# Altium PCB RFC_MB.PcbDoc (part 33 of 37) (continued)
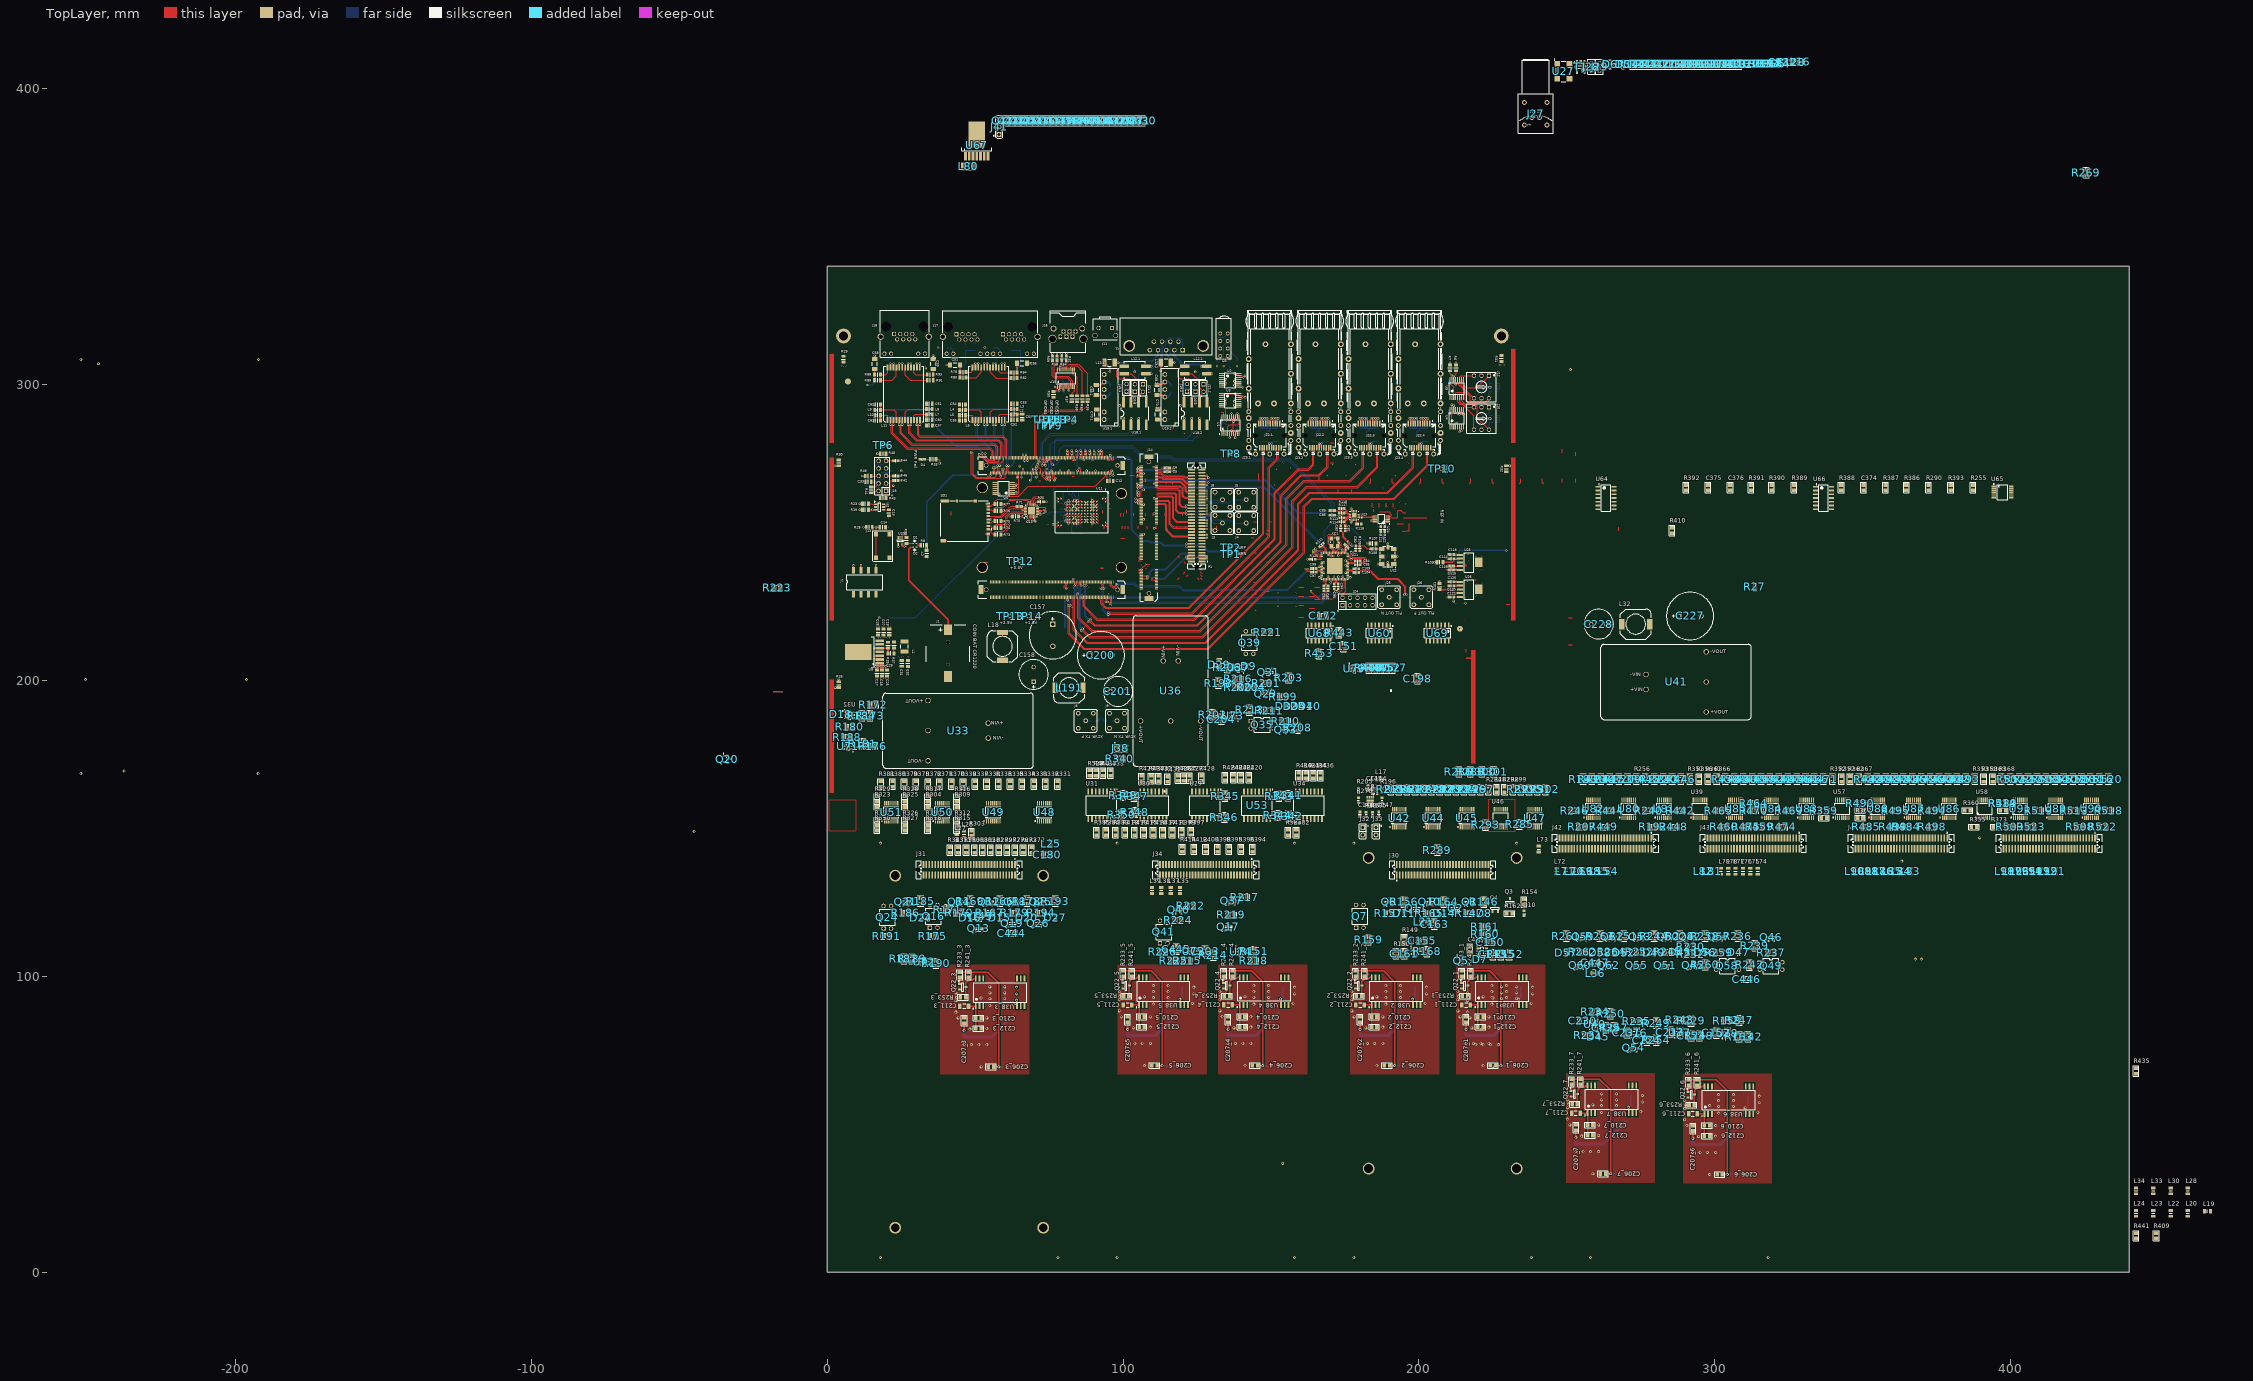
[diagram p0: TopLayer view]
## Part data (continued)
J19.1 J19.2 J20.1 J20.2 J21.1 J21.2 J28 J29: "Connector, 5x2, Male, 2.54mm Pitch, Right Angle", ComponentLink1Description=Datasheet, Last Change Data=02.04.2017, Maintainer="Evgeniy Kotov", PartField=PLS-2, Pkg=PLS-2, Release Date=02.04.2017, SMD Solders=0, THD Solders=2
J22.1 J22.2 J22.3 J22.4: library part MOLEX-74441-0001, "CONN SFP+ RCPT 20POS SLD R/A SMD", Package Quantity=1152, ComponentLink1Description="Manufacturer URL", ComponentLink1URL=http://www.molex.com/, ComponentLink2Description=Datasheet, ComponentLink2URL=http://www.molex.com/webdocs/datasheets/pdf/en-us/0747540101_IO_CONNECTORS.pdf, ComponentLink3Description="Package Specification", ComponentLink3URL=http://www.molex.com/pdm_docs/sd/747540101_sd.pdf, DatasheetVersion="Rev. Jul-15", Height="10.85 mm", Length="15.9 mm", Mounting Technology="Through Hole", PackageDescription="CONN SFP+ RCPT 20POS SLD R/A SMD", PackageVersion="Rev. J, 02/2015", Packaging=Tray, PartField=74441-0001, PartNumber=74441-0001, Pkg="SMD SFP conn", Radiation Hardening=No, RoHSCompliant=True, SMD Solders=20, THD Solders=0, Width="49 mm"
J23.1 J23.2 J23.3 J23.4: library part MOLX-74754-0101, "SFP+ Cage, Single Port, Height 10.85 mm, Tail Height 3.05 mm, -40 to 85 degC, RoHS, Tray", Package Quantity=1152, ComponentLink1Description="Manufacturer URL", ComponentLink1URL=http://www.molex.com/, ComponentLink2Description=Datasheet, ComponentLink2URL=http://www.molex.com/webdocs/datasheets/pdf/en-us/0747540101_IO_CONNECTORS.pdf, ComponentLink3Description="Package Specification", ComponentLink3URL=http://www.molex.com/pdm_docs/sd/747540101_sd.pdf, DatasheetVersion="Rev. Jul-15", Height="10.85 mm", Length="15.9 mm", Mounting Technology="Through Hole", PackageDescription="SFP+ Cage, Single Port, Height 10.85 mm, Tail Height 3.05 mm", PackageVersion="Rev. J, 02/2015", Packaging=Tray, PartField=74754-0101, PartNumber=74754-0101, Pkg="SFP cage", Radiation Hardening=No, RoHSCompliant=True, SMD Solders=0, THD Solders=20, Width="49 mm"
J27: "LEMO дифференциальный, угдовой", Device=LEMO_EPG.0B.302.HLN, Name to order=LEMO_EPG.0B.302.HLN, Pkg=LEMO_EPG.0B.302.HLN, Price=5000, SMD Solders=0, Solder Option=RM, THD Solders=6, Vendor=LEMO
J30 J31 J34 J42 J43 J44 J45: library part PCI_PMC_M, "PCI Mezzanine Connector; IEEE 1386 MainBoard", Manufactuer="TE Connectivity", PartField=120527-1, Pkg="PMC Male (IEEE 1386)", SolderOption=2, Vendor="TE Connectivity"
J41: library part PLS3, "PLS3", Device=PLS3, Price=1, SMD Solders=0, Solder Option=RM, THD Solders=3, Vendor=Confly
L1 L13.1 L13.2 L80: "Inductor, Fixed, 1210, 4.7uH, 216mOhm, 1A, 30%", DC Current=750mA, DC Resistance=380m?, Temperature Range="-40°C to +105°C", Tolerance=20%, Last Change Data=30.03.2017, Maintainer="Evgeniy Kotov", PartField=LQH32PN4R7NN0L, Pkg=1210, Release Date=30.03.2017, SMD Solders=2, THD Solders=0, Vendor=Murata
L2 L3 L4 L5: "Ferrite Beads, 0805, 1 kOhm", DC Current=200mA, DC Resistance=500m?, Temperature Range="-55°C to +125°C", Tolerance=25%, Last Change Data=30.03.2017, Maintainer="Evgeniy Kotov", PartField=BLM21RK102SN1D, Pkg=0805, Release Date=30.03.2017, SMD Solders=2, THD Solders=0, Vendor=Murata
L6 L11: library part LAN_1G_TR_H5008NL, "LAN Transformer fog 1GbE, 12 coils, 4 pairs.", Temperature Range="-25°C to +85°C", Tolerance=2%, Last Change Data=31.03.2017, Maintainer="Evgeniy Kotov", PartField=H5008NL, Pkg=H5008NL, Release Date=31.03.2017, SMD Solders=2, THD Solders=0, Vendor="Pulse Electronics"
L7 L8 L9 L10: library part BLM21RK102SN1D, "Ferrite Beads, 0805, 1 kOhm", DC Current=200mA, DC Resistance=500m?, Temperature Range="-55°C to +125°C", Tolerance=25%, Last Change Data=30.03.2017, Maintainer="Evgeniy Kotov", PartField=BLM21RK102SN1D, Pkg=0805, Release Date=30.03.2017, SMD Solders=2, THD Solders=0, Vendor=Murata
L14.1 L14.2 L14.3 L14.4 L15.1 L15.2 L15.3 L15.4: "Ferrite Beads, 0805, 220 Ohm, 2A", DC Current=200mA, DC Resistance=50m?, Temperature Range="-55°C to +125°C", Tolerance=25%, Last Change Data=30.03.2017, Maintainer="Evgeniy Kotov", PartField=BLM21PG221SN1, Pkg=0805, Release Date=30.03.2017, SMD Solders=2, THD Solders=0, Vendor=Murata
L16 L17 L19 L20 L21 L22 L23 L24 L25 L26 L27 L28 L30 L33 L34 L35 L36 L37 L38 L39 L54 L55 L68 L69 L70 L71 L72 L73 L74 L75 L76 L77 L78 L79 L81 L82 L83 L84 L85 L86 L87 L88 L89 L90 L91 L92 L93 L94 L95 L96 L97 L98: library part BLM21, "SMD Ferrite bead 0805", Device=BLM21, Pkg=SMD0805, Price=10, SMD Solders=2, Solder Option=RM, Vendor=Vishay
L18 L31_1 L31_2 L31_3 L31_4 L31_5 L31_6 L31_7 L32 L191: library part B82464G4, "SMD Дроссель", Current=3A5, Tolerance=20%, Voltage=2, Device=B82464G4, Name to order=B82464G4103M, Pkg=SMD10.4x10.4mm, Price=400, SMD Solders=2, Solder Option=RM, THD Solders=0, Vendor=Epcos
L29_1 L29_2 L29_3 L29_4 L29_5 L29_6 L29_7: library part IND_BOURNS_PM5022S, "SMD Дроссель", Current=1A6, Tolerance=20%, Voltage=2, Device=PM5022S, Name to order=PM5022s-680M-RM, Pkg=SMD13x13mm, Price=400, SMD Solders=2, Solder Option=RM, THD Solders=0, Vendor=Panasonic
P1: library part PCI_PMC_TYCO_120521-1, "PCI Mezzanine Connector; IEEE 1386", Manufacturer="TE Connectivity", PartField=TYCO_120521-1, Pkg="SMD 64 pin", SMD Solders=64, THD Solders=0
Q1 Q3 Q10 Q12 Q18 Q25 Q29 Q37 Q42 Q50 Q53 Q59 Q61: "PMOS", Voltage=-30V, Device=AO3401A, Name to order=AO3401A, Pkg=SOT23, Price=10, SMD Solders=3, Solder Option=RM, THD Solders=0, Vendor=UMW
Q2 Q4 Q5 Q6 Q11 Q13 Q14 Q17 Q19 Q20 Q21 Q22_1 Q22_2 Q22_3 Q22_4 Q22_5 Q22_6 Q22_7 Q26 Q31 Q33 Q40 Q45 Q46 Q51 Q54 Q55 Q57 Q60 Q62: "NMOS", Voltage=30V, Device=AO3400A, Name to order=AO3400A, Pkg=SOT23, Price=10, SMD Solders=3, Solder Option=RM, Vendor=UMW
Q7 Q16 Q24 Q35 Q39 Q41 Q49 Q58: "Optotransistor", Current=0, Voltage=35V, Device=817B, Name to order=817B, Pkg=DIP4, Price=10, SMD Solders=0, Solder Option=RM, THD Solders=4, Vendor=UMW
R1 R2 R3 R4 R5 R6 R7 R8 R9 R10 R11 R12 R13 R14 R15 R17 R18 R19 R21 R22 R23 R24 R25 R26 R27 R28 R29 R30 R31 R32 R33 R34 R35 R36 R37 R38 R39 R40 R41 R42 R43 R44 R45 R46 R47 R48 R49 R50 R51 R52 R53 R54 R55 R56 R57 R58 R59 R60 R61 R62 R63 R64 R65 R66 R67 R68 R69 R70 R71 R72 R73 R74 R75 R76 R77 R78 R79 R80 R81 R82 R83 R84 R85 R86 R87 R88 R89 R90 R91 R92 R93 R94.1 R94.2 R95.1 R95.2 R96.1 R96.2 R97.1 R97.2 R98 R101 R102 R103 R104 R105 R106 R107 R108 R109 R110 R111 R112 R113 R114 R115 R116 R117 R118 R119 R120 R121 R122 R123 R124 R125 R126 R127 R128 R129 R130 R131: library part RESC, "Resistor, Generic, SMD", Last Change Data=09.03.2017, Maintainer="Evgeniy Kotov", Release Date=06.03.2017, SMD Solders=2, THD Solders=0
  R1 R2 R3 R4 R5 R6 R7 R10 R105 R106 R130: PartField=5.1k?, Pkg=0805
  R8: PartField=43k?, Pkg=0805
  R9 R11 R12 R13 R14 R15 R17 R18 R40 R44 R46 R47 R110 R111 R112 R126 R127 R128 R129: PartField=100?, Pkg=0603
  R19 R45 R48 R49 R60 R61 R62 R63 R64 R65 R66 R67 R68 R69 R70 R73 R74 R75 R76 R77: PartField=10k?, Pkg=0805
  R21 R22 R24 R25 R33 R34 R37 R41 R43 R53 R55 R56 R57: PartField=1k?, Pkg=0805
  R23 R28 R50 R51 R98: PartField=51k?, Pkg=0805
  R26 R27 R30 R32: PartField=10M?, Pkg=0805
  R29 R31 R36 R101 R103: PartField=0?, Pkg=0805
  R35: PartField=75k?, Pkg=0805
  R38: PartField=24k?, Pkg=0805
  R39 R42 R52 R54 R58 R59 R71 R72 R95.1 R95.2 R97.1 R97.2 R108 R115 R121 R122 R125: PartField=22?, Pkg=0603
  R78 R80 R81 R82 R83 R84 R86 R87 R88 R89 R91 R93: PartField=75?, Pkg=0805
  R79 R85 R90 R92 R102 R104: PartField=150?, Pkg=0805
  R94.1 R94.2 R96.1 R96.2: PartField=62?, Pkg=0805
  R107: PartField=51?, Pkg=0805
  R109: PartField=820?, Pkg=0603
  R113 R114 R117 R118: PartField=91?, Pkg=0603
  R116: PartField=68?, Pkg=0603
  R119 R120 R123 R124: PartField=*?, Pkg=0603
  R131: PartField=12k?, Pkg=0805
R16 R20 R99.1 R99.2 R99.3 R99.4 R100.1 R100.2 R100.3 R100.4: library part RESPACK4, Last Change Data=16.05.2019, Maintainer="Anton Pavlenko", Pkg="SMD 8pin", Release Date=16.05.2019, SMD Solders=8, THD Solders=0
  R16 R20: PartField=CAY16-4702F4LF
  R99.1 R99.2 R99.3 R99.4 R100.1 R100.2 R100.3 R100.4: PartField=CAY16-1002F4LF
R132 R133 R134 R135 R136 R138 R139 R140 R141 R142 R143 R144 R145 R146 R147 R148 R149 R150 R151 R152 R153 R154 R155 R156 R157 R158 R159 R160 R161 R162 R163 R164 R165 R166 R167 R168 R169 R170 R171 R172 R173 R175 R176 R177 R178 R179 R180 R181 R182 R183 R184 R185 R186 R187 R188 R189 R190 R191 R192 R193 R194 R198 R199 R200 R201 R202 R203 R204 R206 R207 R208 R209 R210 R211 R212 R213 R214 R215 R216 R217 R218 R219 R220 R221 R222 R223 R224 R225 R226 R227 R228 R229 R230 R231 R232 R233_1 R233_2 R233_3 R233_4 R233_5 R233_6 R233_7 R234 R235 R236 R237 R238 R239 R240 R241_1 R241_2 R241_3 R241_4 R241_5 R241_6 R241_7 R242 R243 R244 R245 R246 R247 R248 R249 R250 R251 R252 R253_1 R253_2 R253_3 R253_4 R253_5 R253_6 R253_7 R254 R255 R256 R257 R258 R259 R260 R261 R262 R263 R264 R265 R266 R267 R268 R269 R272 R273 R274 R275 R276 R277 R278 R279 R280 R281 R282 R283 R284 R285 R286 R287 R288 R289 R290 R291 R291 R292 R293 R294 R295 R296 R297 R298 R299 R300 R301 R302 R303 R304 R305 R306 R307 R308 R309 R310 R311 R312 R313 R314 R315 R316 R317 R318 R319 R320 R321 R322 R323 R324 R325 R326 R327 R328 R329 R330 R331 R332 R333 R334 R335 R336 R337 R338 R339 R340 R341 R342 R343 R344 R345 R346 R347 R348 R349 R350 R351 R352 R353 R354 R355 R356 R357 R358 R359 R360 R361 R362 R363 R364 R365 R366 R367 R368 R369 R370 R371 R372 R373 R374 R375 R376 R377 R378 R379 R380 R381 R382 R383 R384 R385 R386 R387 R388 R389 R390 R391 R392 R393 R394 R395 R396 R397 R398 R399 R400 R401 R402 R403 R404 R405 R406 R407 R408 R409 R410 R411 R412 R413 R414 R415 R416 R417 R418 R419 R420 R421 R422 R423 R424 R425 R426 R427 R428 R429 R430 R431 R432 R433 R434 R435 R436 R437 R438 R439 R440 R441 R442 R443 R444 R445 R446 R447 R448 R449 R450 R451 R452 R453 R454 R455 R456 R457 R458 R459 R460 R461 R462 R463 R464 R465 R466 R467 R468 R469 R470 R471 R472 R473 R474 R475 R476 R477 R478 R479 R480 R481 R482 R483 R484 R485 R486 R487 R488 R489 R490 R491 R492 R493 R494 R495 R496 R497 R498 R499 R500 R501 R502 R503 R504 R505 R506 R507 R508 R509 R510 R511 R512 R513 R514 R515 R516 R517 R518 R519 R520 R521 R522 R523 R524 R525 R526 R527 R528: library part R0805, "Чип резистор 0805", Tolerance=1%, Device=Res0805, Pkg=SMD0805, Price=2, Pwr=125mW, SMD Solders=2, TC=100ppm/C, Vendor=Vishay
  R132 R135 R138 R139 R142 R143 R144 R153 R182 R183 R192 R207 R209 R220 R238 R240 R246 R256 R265 R266 R267 R268 R272 R274 R276 R278 R279 R281 R282 R283 R284 R285 R286 R287 R288 R289 R291 R291 R292 R293 R294 R295 R296 R297 R298 R299 R300 R301 R302 R303 R305 R306 R307 R308 R310 R311 R313 R314 R319 R320 R321 R331 R332 R334 R335 R336 R337 R338 R339 R340 R342 R343 R345 R348 R350 R351 R352 R353 R354 R355 R356 R357 R358 R359 R360 R361 R362 R363 R364 R365 R366 R367 R368 R369 R370 R371 R372 R373 R374 R375 R376 R377 R378 R379 R380 R381 R437 R438 R442 R444 R445 R446 R447 R448 R449 R450 R451 R454 R455 R456 R457 R458 R459 R460 R461 R463 R464 R465 R466 R467 R468 R469 R470 R471 R472 R473 R474 R475 R476 R477 R478 R479 R480 R481 R482 R483 R484 R485 R486 R487 R488 R489 R490 R491 R492 R493 R494 R495 R496 R497 R498 R499 R500 R501 R502 R503 R504 R505 R506 R507 R508 R509 R510 R511 R512 R513 R514 R515 R516 R517 R518 R519 R520 R521 R522 R523 R524 R525 R526 R527: Solder Option=i
  R133 R134 R136 R140 R141 R145 R146 R147 R148 R149 R150 R151 R152 R154 R155 R156 R157 R158 R159 R160 R161 R162 R163 R164 R165 R166 R167 R168 R169 R170 R171 R172 R173 R175 R176 R177 R178 R179 R180 R181 R184 R185 R186 R187 R188 R189 R190 R191 R193 R194 R198 R199 R200 R201 R202 R203 R204 R206 R208 R210 R211 R212 R213 R214 R215 R216 R217 R218 R219 R221 R222 R223 R224 R225 R226 R227 R228 R229 R230 R231 R232 R233_1 R233_2 R233_3 R233_4 R233_5 R233_6 R233_7 R234 R235 R236 R237 R239 R241_1 R241_2 R241_3 R241_4 R241_5 R241_6 R241_7 R242 R243 R244 R245 R247 R248 R249 R250 R251 R252 R253_1 R253_2 R253_3 R253_4 R253_5 R253_6 R253_7 R254 R255 R257 R258 R259 R260 R261 R262 R263 R264 R269 R273 R275 R277 R280 R290 R304 R309 R312 R315 R316 R317 R318 R322 R323 R324 R325 R326 R327 R328 R329 R330 R333 R341 R344 R346 R347 R349 R382 R383 R384 R385 R386 R387 R388 R389 R390 R391 R392 R393 R394 R395 R396 R397 R398 R399 R400 R401 R402 R403 R404 R405 R406 R407 R409 R410 R411 R412 R413 R414 R415 R416 R417 R418 R419 R420 R421 R422 R423 R424 R425 R426 R427 R428 R429 R430 R431 R432 R433 R434 R435 R436 R439 R440 R441 R443 R452 R453 R462 R528: Solder Option=RM
  R408: Solder Option=Dbg
R137: library part R0805, "Чип резистор 0805", Tolerance=0.1%, Device=Res0805, Pkg=SMD0805, Price=2, Pwr=125mW, SMD Solders=2, Solder Option=RM, TC=100ppm/C, Vendor=Vishay
R174 R195 R196 R197 R205 R270 R271: library part R0603, "Чип резистор 0603", Tolerance=1%, Device=Res603, Pkg=SMD0603, Price=2, Pwr=60mW, SMD Solders=2, Solder Option=RM, TC=100ppm/C, Vendor=Vishay
SD1: "Micro SD Card Connector, 0.5 A, 125 V, -25 to 85 degC, 8-Pin SMD, RoHS, Tape and Reel", Manufacturer="Hirose Electric", Package Description="8-Pin Surface Mount Device, Body 16.15 x 13.85 mm, Pitch 1.1 mm", Package Reference=DM3AT-8, Standard Package=1, Card Type=SecureDigital-microSD™, Category=Connectors,Interconnects, Connector Type=ConnectorandEjector, Contact Finish=Gold, Contact Finish Thickness=-, Datasheet URL=https://ciiva.com/datasheet-click-46418261?src=ciiva&sig=4019062a, Datasheet Version=Jun-10, Ejector Side=-, Family=MemoryConnectors-PCCardSockets, Featured Product=DM3ATSeries, Features=Switch, HTML Datasheet=DM3SeriesmicroSD.html, Insertion, Removal Method=PushIn,PushOut, Manufacturer URL=https://www.hirose.com, Mounting Feature=Normal,Standard-Top, Mounting Type=SurfaceMount,RightAngle, Number of Positions=10(8+2), Online Catalog=DM3Series, Other Names=HR1964DKR, Package URL=https://www.hirose.com/product/en/download_file/key_name/DM3/category/Catalog/doc_file_id/49662/?file_category_id=4&item_id=195&is_series=1, Packaging=Digi-Reel, PartField=DM3AT-SF-PEJM5, Pkg="SD card hlder", Product Training Modules=DM3SeriesmicroSDCardSockets, Series=DM3, SMD Solders=14, THD Solders=0, Vendor="Hirose Electric"
T1: "RF Transformer; 50?; 1.5 to 500 MHz; Impedance Ratio=1", Device=TC1-1T+, Name to order=TC1-1T+, Pkg=AT1521, Price=1000, SMD Solders=5, Solder Option=RM, THD Solders=0, Vendor="Texas Instruments"
TP1 TP2 TP3 TP4 TP5 TP6 TP7 TP8 TP9 TP10 TP11 TP12 TP13 TP14: library part TestPoint, "testPoint", PartField="test point", Pkg=DNP, SMD Solders=0, SolderOption=0, THD Solders=0, Vendor=BINP
U1: "4-Channel I2C-Bus Multiplexer with Interrupt Logic", Case=SSOP20, Manufacturer="NXP SEMICONDUCTORS", Author="CERN DEM JLC", Bonding=No, ComponentHeight=1.1mm, Component Type=Standard, CreateDate=06/10/2014, Device=PCA9544APW, HelpURL=\\cern.ch\dfs\Applications\Altium\Datasheets\PCA9544APW.pdf, LatestRevisionDate=06/10/2014, Manufacturer Part Number=PCA9544APW, Mounted=Yes, PackageDescription="SOP, 20-Leads, Body 6.6x4.5mm (max), Pitch 0.65mm, IPC Medium Density", Part Description="4-Channel I2C-Bus Multiplexer with Interrupt Logic", PartField=PCA9544APW, Part Number=PCA9544APW, Pin Count=20, Pkg=SSOP20, PressFit=No, Sense=No, SMD=Yes, SMD Solders=20, Socket=No, THD Solders=0
U2 U3 U4 U5: "8-Bit I2C-Bus and SMBus Low Power I/O Port with Interrupt", Case=SSOP16, Manufacturer="ANALOG DEVICES", Author="CERN DEM JLC", Bonding=No, ComponentHeight=1.1mm, Component Type=Standard, CreateDate=18/12/2013, Device=PCA9534PW, HelpURL=\\cern.ch\dfs\Applications\Altium\Datasheets\PCA9534PW.pdf, LatestRevisionDate=18/12/2013, Manufacturer Part Number=PCA9534PW, Mounted=Yes, PackageDescription="SOP, 0.65mm pitch; 16 pin, 4.40mm W X 5.00mm L X 1.10mm H body IPC Medium Density", Part Description="8-Bit I2C-Bus and SMBus Low Power I/O Port with Interrupt", PartField=PCA9534PW, Part Number=PCA9534PW, Pin Count=16, Pkg=SSOP16, PressFit=No, Sense=No, SMD=Yes, SMD Solders=16, Socket=No, THD Solders=0
U6: "Sextuple NOR Gate", Manufacturer="Texas Instruments", PACKAGE_DESIGNATOR=PW, FAMILY_NAME=NOR_GATE, GENERIC_PART_NUMBER=SN74LVC04APW, HelpURL=http://www.ti.com/lit/ds/symlink/sn74lvc04a.pdf, INDUSTRY_STD_PKG_TYPE=TSSOP, Manufacturer_Part_Number=SN74LVC04APW, PartField=SN74LVC04APW, PIN_COUNT=14, Pkg=PW-14, SMD Solders=14, THD Solders=0, Vendor="Texas Instruments"
U7: "Low-Quiescent-Current Programmable-Delay Supervisory Circuit", ComponentLink1Description=Datasheet, ComponentLink1URL=http://www.ti.com/lit/ds/symlink/dac7565.pdf, Last Change Date=19.03.2017, Maintainer="Evgeniy Kotov", PartField=TPS3808G33QDBVRQ1, Pkg=SOT23-6, Release Date=19.03.2017, SMD Solders=6, THD Solders=0, Vendor="Texas Instruments"
U8 U67: library part LMZ10504EXT_NDW, "4A, SIMPLE SWITCHER® Power Module with 5.5V Maximum Input Voltage for Military and Rugged Applications", Manufacturer="Texas Instruments", Manufacturer_Part_Number=lmz10504ext_ndw_7, NSC_PackageReference=TZA07A, basePN=LMZ10504EXT, HelpURL=http://www.ti.com/lit/ds/symlink/lmz10504ext.pdf, PartField=LMZ10504EXT, Pkg=PMOD-7EP, SMD Solders=8, THD Solders=0, Vendor="Texas Instruments"
U9 U13 U14 U15 U16: "Transimpedance Amplifier; Selectable-Feedback Resistance", ComponentLink1Description=Datasheet, ComponentLink1URL=http://assets.nexperia.com/documents/data-sheet/IP4220CZ6.pdf, Last Change Date=28.03.2017, Maintainer="Evgeniy Kotov", PartField=IP4220CZ6, Pkg=SOT457, Release Date=28.03.2017, SMD Solders=6, THD Solders=0, Vendor=NXP
U10: library part ADM3222ARU, "RS232", ComponentLink1URL=https://www.analog.com/media/en/technical-documentation/data-sheets/ADM3202_3222_1385.pdf, Last Change Date=24.05.2019, PartField=ADM3222ARUZ, Pkg=TSSOP-20, SMD Solders=20, THD Solders=0, Vendor="Analog Devices"
U11: library part MTFC32GAKAENA, PartField="MTFC8GACAEDQ-AAT TR", Pkg=LBGA-100, SMD Solders=100, THD Solders=0
U12: library part TXS02612_RTW_24, "IC SDIO PORT EXPANDER AND LEVEL SHIFTER", Manufacturer="Texas Instruments", Manufacturer_Part_Number=txs02612_rtw_24, PACKAGE_DESIGNATOR=RTW, Datasheet URL=http://www.ti.com/lit/gpn/TXS02612, FAMILY_NAME="APPLICATION SPECIFIC (COMPACT FLASH, SD, MMC, I2C)", GENERIC_PART_NUMBER=TXS02612RTWR, INDUSTRY_STD_PKG_TYPE=QFN, PartField=TXS02612RTWR, PIN_COUNT=24, Pkg=QFN-24EP, RefDes=RefDes, SMD Solders=25, THD Solders=0, Type=DEV, Vendor="Texas Instruments"
U19.1 U19.2: "AM3G-0505DZ", Manufactuer=Aimtec, HelpURL=http://www.aimtec.com/site/Aimtec/files/Datasheet/HighResolution/AM1D-NZ.pdf, Manufacturer=Aimtec, PartField=AM1D-0505S-N, Pkg=SIP-7pin, SMD Solders=0, SolderOption=0, THD Solders=7, Vendor=Aimtec
U20: "Ultra low power (Iq=1.2 mkA) LDO 3.3V Fixed", Manufacturer="Texas Instruments", PACKAGE_DESIGNATOR=MF, FAMILY_NAME=LDO, GENERIC_PART_NUMBER=TPS79733DCK, HelpURL=http://www.ti.com/lit/ds/symlink/tps797.pdf, INDUSTRY_STD_PKG_TYPE=SC70-5, Manufacturer_Part_Number=TPS79733DCK, PartField=TPS79733DCK, PIN_COUNT=5, Pkg=SC70-5, SMD Solders=5, THD Solders=0, Vendor="Texas Instruments"
U21: library part Si5395A, Manufacturer=SiLabs, PartField=Si5395A-A-GM, Pkg=QFN-64EP, SMD Solders=65, THD Solders=0, Vendor=SiLabs
U22: library part Si570, "XTAL OSCILLATOR SMD", Ambient Temperature Range High=+85°C, Ambient Temperature Range Low=-40°C, Frequency=0.2-1500MHz, Manufacturer="Silicon Labs", Manufacturer Part Number=541AAA001040BAGR, Max Supply Voltage=3.465V, Min Supply Voltage=2.375V, Nominal Supply Current=100mA, Temperature="-40°C to +85°C", Automotive=No, Category=IC, ComponentLink2Description=Datasheet, ComponentLink2URL=https://www.silabs.com/documents/public/data-sheets/si541-datasheet.pdf, Device Class L1="Integrated Circuits (ICs)", Device Class L2="Clock and Timing", Device Class L3="Timers and Oscillators", Digikey Description="XTAL OSCILLATOR SMD", Height=1.33mm, Last Change Data=09.03.2017, Lead Free=Yes, Maintainer="Evgeniy Kotov", Octopart=https://octopart.com/541aaa001040bagr-silicon+labs-103392146, PartField=570CBC000306DG, Pkg="SMD 6pin", RoHS=TRUE, SMD Solders=6, Temperature Range High=+85°C, Temperature Range Low=-40°C, THD Solders=0
U23: "IC CLK FANOUT BUFFER 1:2 16LFCSP", Ambient Temperature Range High=+85°C, Ambient Temperature Range Low=-40°C, Manufacturer="Silicon Labs", Max Junction Temp=+125°C, Max Supply Voltage=3.63V, Min Supply Voltage=1.71V, Nominal Supply Current=65mA, Temperature="-40°C to +85°C", Automotive=No, Category=IC, ComponentLink2Description=Datasheet, ComponentLink2URL=https://www.silabs.com/documents/public/data-sheets/si5330x-datasheet.pdf, Device Class L1="Integrated Circuits (ICs)", Device Class L2="Clock and Timing", Device Class L3="Clock Buffers", Digikey Description="IC CLK BUFFER 2:4 725MHZ 16QFN", Height=0.9mm, Ipc Land Pattern Name=QFN50P300X300X85-16, Last Change Data=09.03.2017, Lead Free=Yes, Logic Function=Non-Inverting, Maintainer="Evgeniy Kotov", Manufacturer Part Number=ADCLK925BCPZ, Mouser Description="Clock Buffer 1:2 Univ bufr/Lvl Trans 725MHz", Number Of Elements=1, Number Of Inputs=2, Number Of Outputs=4, Octopart=https://octopart.com/si53307-b-gm-silicon+labs-51374320, PartField=ADCLK925BCPZ, Pkg=LFCSP-16EP, Propagation Delay=875ps, RoHS=TRUE, SMD Solders=17, Standoff Height=0mm, Temperature Range High=+85°C, Temperature Range Low=-40°C, THD Solders=0
U24: "LVDS Comparator", Manufacturer_Part_Number=ADCMP553BRMZ, PartField=ADCMP553BRMZ, Pkg=MSOP-8, SMD Solders=8, SolderOption=0, THD Solders=0, Vendor="Analog Devices Inc"
U25: "Single Output LDO, 1.0A, Fixed (3.3V), Low Noise, Fast Transient Response", Manufacturer="Texas Instruments", Manufacturer_Part_Number=reg104-33_dcq_6, PACKAGE_DESIGNATOR=DCQ, Datasheet URL=http://www.ti.com/lit/gpn/REG104-A, FAMILY_NAME="SINGLE CHANNEL LDO", GENERIC_PART_NUMBER=REG104GA-3.3, INDUSTRY_STD_PKG_TYPE=SOT-223, PartField=REG104GA-3.3, PIN_COUNT=6, Pkg=SOT-5EP, SMD Solders=6, THD Solders=0, Vendor="Texas Instruments"
U26: "Single Output LDO, 1.0A, Adj.(1.295 to 5.5V), Low Noise, Fast Transient Response", Manufacturer="Texas Instruments", Manufacturer_Part_Number=reg104-a_dcq_6, PACKAGE_DESIGNATOR=DCQ, Datasheet URL=http://www.ti.com/lit/gpn/REG104-A, FAMILY_NAME="SINGLE CHANNEL LDO", GENERIC_PART_NUMBER=REG104GA-A, INDUSTRY_STD_PKG_TYPE=SOT-223, PartField=REG104GA-A, PIN_COUNT=6, Pkg=SOT-5EP, SMD Solders=6, THD Solders=0, Vendor="Texas Instruments"
U27: library part CB3LV, "Clock generator", Current=60, Device=CB3LV, Name to order=CB3LV-6C-25M, Pkg=7x5mm, Price=1000, SMD Solders=4, Solder Option=RM, THD Solders=0, Vendor="CTS Electronic Components"
U28 U32 U37 U40 U70 U71 U72 U73 U74 U75 U76 U77 U78 U79: library part TPS3808, "Supervisory Circuit. Low-Quiescent-Current, Programmable-Delay", Current=6uA, thVoltage=400mV, Device=TPS3808, Name to order=TPS3808G01DBV, Pkg=SOT23-6, Price=200, SMD Solders=6, Solder Option=RM, THD Solders=0, Vendor="Texas Instruments"
U29 U30 U31 U34 U53: library part ISO7240M, "Двунаправленный буфер", Current=30, Voltage="3V3 or 5V", Device=ISO7240, Name to order=ISO7240MDWR, Pkg=SOIC16DW, Price=3500, SMD Solders=16, Solder Option=RM, THD Solders=0, Vendor="Texas Instruments"
U33 U36 U41: library part AM15E-, "Negative LDO Linear stabilizer", Device=AM15E-, Name to order=AM15-1218DZ, Pkg=DCDC_5, Price=2000, SMD Solders=0, Solder Option=RM, THD Solders=5, Vendor=Aimtec
U38_1 U38_2 U38_3 U38_4 U38_5 U38_6 U38_7: library part DCP02xxyyU, "DC/DC xxV to isolated  yyV", Voltage=7V, Copyright="Copyright (C) 2022 Ultra Librarian. All rights reserved.", Device=DCP02, Pkg=SOIC28, Price=1000, SMD Solders=6, Solder Option=RM, Vendor="Texas Instruments"
U39 U42 U44 U45 U46 U47 U48 U49 U50 U51 U57 U58 U80 U81 U82 U83 U84 U85 U86 U87 U88 U89 U90 U91: "Двунаправленный буфер", Voltage="1V1.. 3.6V  I/Os are 4.6-V Tolerant", Device=SN74AVC4T774, Name to order=SN74AVC4T774PW, Pkg=TSSOP16, Price=300, SMD Solders=16, Solder Option=RM, THD Solders=0, Vendor="Texas Instruments"
U43: library part LTC6957-2, "Bufer CMOS in to 2xLVDS out", Current=72, Voltage="2.15.. 3.45", Device=LTC6957IDD-2, Name to order=LTC6957IDD-2, Pkg=DFN045-13, Price=4200, SMD Solders=13, Solder Option=outSrc, THD Solders=0, Vendor="Analog Devices"
U60 U69: "Сдвиговый регистр. Посл. вх. 8 разр. выход.", Voltage="2V0.. 6V0", Device=74HC164D, Name to order=74HC164D, Pkg=SOIC14, Price=30, SMD Solders=14, Solder Option=RM, THD Solders=0, Vendor=NXP
U64 U66: "4 лог. элемента 2И-НЕ", Voltage="2.. 6V", Device=74HC00D, Name to order=74HC00D, Pkg=SOIC14, Price=50, SMD Solders=14, Solder Option=RM, Vendor=NXP
U65: "Quadruple Buffer Translator GATE With 3-State / Output CMOS Logic Level Shifter", Voltage="2V0.. 6V0", Device=SN74LV4T125PWR, Name to order=SN74LV4T125PWR, Pkg=TSSOP14, Price=30, SMD Solders=14, Solder Option=RM, THD Solders=0, Vendor="Texas Instruments"
U68: "6 триггеров Шмита с инверсией.", Voltage="2.. 6V", Device=74HC14D, Name to order=74HC14D, Pkg=SOIC14, Price=50, SMD Solders=14, Solder Option=RM, Vendor=NXP
XC1: library part XTAL_CX3225SB48, "Kyocera XTAL 48MHz CX3225SB48000D0WPSC1", Last Change Data=09.03.2017, Maintainer="Evgeniy Kotov", PartField=CX3225SB48000D0WPSC1, Pkg="4 pin SMD", Release Date=06.03.2017, SMD Solders=4, THD Solders=0, Vendor=Kyocera
J10 J12: PartField=ERD116XSZ, Pkg="Rotary 6pin", SMD Solders=0, SolderOption=0, THD Solders=6, Vendor=ECE
J32 J33 J38: Device=PLS2, Price=1, SMD Solders=0, Solder Option=RM, THD Solders=2, Vendor=Confly
L12.1 L12.2: PartField=B82790C0513, Pkg="SMD 4 pin", SMD Solders=4, THD Solders=0, Vendor=Epcos
U17.1 U17.2: ComponentLink1Description=Datasheet, ComponentLink1URL=https://static.chipdip.ru/lib/081/DOC001081416.pdf, Last Change Data=05.03.2020, PartField=SM712, Pkg=SOT23-3, SMD Solders=3, THD Solders=0, Vendor=SemTech
U18.1 U18.2: Order=main, PartField=ISO1050DU, Pkg=SOP-8, SMD Solders=8, THD Solders=0

## Free pads (board coordinates)
  round 5 hole 3: 0(5.5,316.4) 0(227.85,316.4)
  round 4 hole 3: 0(23,15) 0(23,134) 0(73,15) 0(73,134) 0(183,35) 0(183,140) 0(233,35) 0(233,140)
  round 2 smd mask+1: 2(7,301) 2(213.85,217.45)
  round 2 smd far side mask+1: 2(7,301) 2(213.85,217.45)

## Via types
v1: diameter 0.8, hole 0.4, TopLayer to BottomLayer, 488 vias
v2: diameter 1, hole 0.5, TopLayer to BottomLayer, 251 vias
v3: diameter 0.5, hole 0.2, TopLayer to BottomLayer, tented both sides, 137 vias

## Nets (pads, with @x,y where several pads share a name; then routed paths per layer and width w, separated by ;. In a path a pad name is that pad's centre, name@x,y a point inside that pad or via, vN(x,y) a via of type N, cw(c..) or ccw(c..) an arc to the next point about the centre after c; other vN are vias at no path point)
1V8DPLL: C101.2 C102.2 C103.2 R101.1 U21.32 U21.46 U21.60 | length 3.3
  TopLayer w0.3: v1(166.3,234.8) 166.425,234.925 U21.32@167.075,234.925 ; U21.46@174.275,234.225 v1(174.275,235) ; v1(175.2,240.425) U21.60@175.975,240.425
  TopLayer w0.5: R101.1@206.925,232.7 v1(206.925,233.575)
3V3BATLDO: C72.2 D1.1 R98.2 U20.5 | length 6.9
  TopLayer w0.25: U20.5@25.3,246.125 25.3,245.375 25.425,245.25 v1(26.05,245.25) 26.675,245.25 26.775,245.35 R98.2@26.775,246.3 26.79,246.285 D1.1@29.13,246.285
  BottomLayer w0.25: C72.2@25.95,246.45 25.925,246.425 25.925,245.775 26.05,245.65 v1(26.05,245.25)
3V3d_: C163.2 L21.1 Q10.2 R165.1
3V3DDS: C232.2 C233.2 C239.2 C240.2 C245.2 C246.2 C247.2 C248.2 C249.2 C250.2 L17.2 L19.2 L20.2 Q10.3 R164.2 R285.1 R293.1 U42.15 U42.16 U44.15 U44.16 U45.15 U45.16 U46.15 U46.16 U47.15 U47.16
3V3DPLL: C113.2 R103.1 U21.13 | length 1.6
  TopLayer w0.3: v1(169.275,242.35) U21.13@169.275,243.125
  TopLayer w0.5: v1(205.2,239.9) R103.1@206.075,239.9
3V3H: C180.2 L25.1 Q25.2 R194.2
3V3int: C259.2 C262.2 C264.2 C266.2 C268.2 R342.2 R344.2 R346.2 R348.2 R350.2 U29.16 U30.1 U31.16 U34.1 U53.16
3V3rf: C151.2 C260.2 C261.2 C263.2 C265.2 C267.2 L21.2 L25.2 L36.2 L80.2 R341.1 R343.1 R345.1 R347.1 R349.1 R407.1 U29.1 U30.16 U31.1 U34.16 U53.1 U60.14
3V3s_: C447.2 L36.1 Q59.2 R262.2
3V3SL: C185.2 C194.2 C220.2 C221.2 C269.2 C270.2 C271.2 C272.2 C448.2 C449.2 C450.2 C451.2 C452.2 C453.2 C454.2 C455.2 C456.2 C457.2 C458.2 C459.2 C460.2 C461.2 C462.2 C463.2 C464.2 C465.2 C466.2 C467.2 C468.2 C469.2 L54.2 L55.2 L74.2 L75.2 L83.2 L84.2 L91.2 L92.2 Q59.3 R192.1 R207.1 R240.1 R246.1 R261.2 R354.1 R355.1 R359.1 R360.1 R364.1 R365.1 R369.1 R373.1 R442.1 R444.1 R448.1 R449.1 R459.1 R460.1 R464.1 R465.1 R469.1 R470.1 R474.1 R475.1 R484.1 R485.1 R489.1 R490.1 R494.1 R495.1 R498.1 R499.1 R508.1 R509.1 R513.1 R514.1 R518.1 R519.1 R522.1 R523.1 U39.15 U39.16 U57.15 U57.16 U58.15 U58.16 U80.15 U80.16 U81.15 U81.16 U82.15 U82.16 U83.15 U83.16 U84.15 U84.16 U85.15 U85.16 U86.15 U86.16 U87.15 U87.16 U88.15 U88.16 U89.15 U89.16 U90.15 U90.16 U91.15 U91.16
3Vi: C188.2 C203.2 C204.1 C328.2 D29.1 R151.1 R198.1 R202.1 R206.1 R214.1 R216.1 U37.6 U73.6 U74.6 U75.6
12DDS: L22.2 Q3.3 R154.2
+1V8MOD: J14.B52 J14.B76 J14.B108 J14.B128 TP14.1 | length 1.4
  TopLayer w0.2: J14.B52@84.175,228.05 84.175,228.75 84.65,229.225 v1(84.675,229.225)
+2V5MOD: C96.2 C98.2 C100.2 C105.2 C106.2 C107.2 C108.2 C110.2 C111.2 C112.2 J14.A53 J14.A62 J14.A65 J14.A89 J14.B64 J14.B67 J14.B88 J14.B95 J14.B140 J14.B143 J14.C76 J14.C83 J14.C116 J14.C123 J14.C158 J14.C165 TP13.1 U21.22 U21.26 U21.29 U21.33 U21.36 U21.40 U21.43 U21.49 U21.52 U21.57 | length 20.2
  TopLayer w0.15: J14.C76@106.125,249.4 v1(106.925,249.4) ; J14.C116@106.125,259.4 v1(106.925,259.4) ; J14.C158@106.125,269.9 v1(106.925,269.9) ; v1(110.35,272.093) 110.525,271.918 111.325,271.918 J14.C165@111.325,271.9 ; v1(110.425,261.5) 110.525,261.4 J14.C123@111.325,261.4 ; v1(110.525,251.4) J14.C83@111.325,251.4
  TopLayer w0.2: v1(74.675,274.45) J14.A89@74.675,275.25 ; 80.675,274.45 J14.A65@80.675,275.25 ; J14.B64@81.175,228.05 81.175,227.25 v1(81.3,227.125) ; J14.A62@81.675,270.05 v1(81.675,270.85) ; v1(83.675,274.45) J14.A53@83.675,275.25
  TopLayer w0.3: U21.29@167.075,236.425 v1(167.85,236.425) ; U21.26@167.075,237.925 v1(167.85,237.925) ; U21.22@167.075,239.925 v1(167.85,239.925) ; 167.6,233.4 167.65,233.45 167.775,233.575 U21.33@167.775,234.225 ; U21.36@169.275,234.225 v1(169.275,235) ; U21.40@171.275,234.225 v1(171.275,235) ; U21.43@172.775,234.225 v1(172.775,235) ; v1(175.2,236.425) U21.52@175.975,236.425 ; v1(175.2,238.925) U21.57@175.975,238.925 ; U21.49@175.975,234.925 176.625,234.925 v1(176.75,234.8)
  BottomLayer w0.25: C105.2@166.85,233.4 167.6,233.4 ; C106.2@166.85,236.425 v1(167.85,236.425)
  BottomLayer w0.3: C98.2@170.9,235 v1(171.275,235) ; C100.2@172.075,234.8 172.275,235 v1(172.775,235)
+3.3VD: C1.1 C2.1 C3.1 C4.1 C10.1 C11.2 C31.2 C32.2 C33.2 C38.2 C39.1 C40.1 C43.1 C44.1 C45.1 C46.1 C47.1 C48.1 C49.1 C66.1.2 C66.2.2 C73.1.2 C73.2.2 C73.3.2 C73.4.2 C78.1 C79.1 C86.2 C87.2 C90.1 C91.1 C124.2 C125.2 C129.2 C132.1 C138.1 J14.A38 J14.A41 J14.A74 J14.A77 J15.4 L1.2 L14.1.1 L14.2.1 L14.3.1 L14.4.1 L15.1.1 L15.2.1 L15.3.1 L15.4.1 L16.1 P1.9 P1.11 R1.1 R2.1 R3.2 R4.2 R5.2 R6.2 R7.2 R10.1 R16.5 R16.6 R16.7 R16.8 R19.1 R20.5 R20.6 R20.7 R20.8 R23.1 R28.1 R36.1 R41.2 R45.2 R48.2 R49.2 R51.2 R60.1 R61.1 R62.1 R63.1 R64.1 R65.1 R66.1 R67.1 R68.1 R70.2 R73.1 R74.1 R75.1 R76.1 R77.1 R79.1 R85.1 R90.1 R92.1 R99.1.1 R99.1.2 R99.1.3 R99.1.4 R99.2.1 R99.2.2 R99.2.3 R99.2.4 R99.3.1 R99.3.2 R99.3.3 R99.3.4 R99.4.1 R99.4.2 R99.4.3 R99.4.4 R100.1.1 R100.1.2 R100.1.3 R100.1.4 R100.2.1 R100.2.2 R100.2.3 R100.2.4 R100.3.1 R100.3.2 R100.3.3 R100.3.4 R100.4.1 R100.4.2 R100.4.3 R100.4.4 R102.2 R105.1 R106.1 R119.1 R123.1 R132.2 R138.2 R139.2 SD1.4 U1.1 U1.2 U1.20 U2.16 U3.1 U3.16 U4.2 U4.16 U5.3 U5.16 U7.5 U7.6 U9.5 U10.19 U11.F2 U11.F3 U11.F4 U11.F5 U11.F6 U11.F7 U11.F8 U11.F9 U11.H3 U11.H8 U11.L2 U11.L4 U11.L7 U11.L9 U11.P3 U11.P8 U12.5 U12.17 U12.21 U18.1.1 U18.2.1 U22.6 U23.8 U23.13 U24.7 U26.1 | length 297.5
  TopLayer w0.15: v1(66.125,257.55) U12.21@67.025,257.55 ; U12.17@68.275,259.3 v1(68.275,260.275) ; v1(69.775,254.375) U12.5@69.775,255.3 ; v1(80.55,253.875) U11.P8@81.05,254.375 ; v1(80.55,259.875) U11.P3@81.05,259.375 ; v1(83.55,252.875) U11.L9@84.05,253.375 ; v1(83.55,254.875) U11.L7@84.05,255.375 ; v1(83.55,258.875) U11.L4@84.05,258.375 ; v1(83.55,260.875) U11.L2@84.05,260.375 ; U11.H8@87.05,254.375 v1(87.55,253.875) ; U11.H3@87.05,259.375 v1(87.55,259.875) ; U11.F9@89.05,253.375 v1(89.55,252.875) ; U11.F8@89.05,254.375 v1(89.55,253.875) ; U11.F7@89.05,255.375 v1(89.55,254.875) ; U11.F6@89.05,256.375 v1(89.55,255.875) ; U11.F5@89.05,257.375 v1(89.55,257.875) ; U11.F4@89.05,258.375 v1(89.55,258.875) ; U11.F3@89.05,259.375 v1(89.55,259.875) ; U11.F2@89.05,260.375 v1(89.55,260.875) ; U3.1@133.255,296.875 v1(137.92,296.875) ; U1.1@133.4,283.225 133.4,285.275 ; v1(133.4,287.95) 133.4,285.275 ; U1.2@134.05,283.225 134.05,284.625 133.4,285.275
  TopLayer w0.2: v1(77.675,274.45) J14.A77@77.675,275.25 ; J14.A74@78.675,270.05 v1(78.675,270.85) ; v1(86.675,274.45) J14.A41@86.675,275.25 ; J14.A38@87.675,270.05 v1(87.675,270.85)
  TopLayer w0.25: v1(10.975,257.675) R19.1@11.925,257.675 ; v1(10.975,259.675) R23.1@11.925,259.675 ; v1(12.275,251.725) R28.1@13.225,251.725 ; SD1.4@54.375,254.375 v1(55.325,254.375) ; R73.1@58.7,249.325 59.6,249.325 61.6,251.325 v1(61.6,252.65) ; R74.1@58.7,251.575 58.75,251.625 59.675,251.625 60.225,252.175 v1(60.225,252.55) ; R75.1@58.7,253.825 v1(59.6,253.825) ; R76.1@58.7,257.325 v1(59.6,257.325) ; R77.1@58.7,259.575 v1(59.6,259.575) ; v1(61.8,255.375) R70.2@62.675,255.375 ; U10.19@78.435,305.06 78.435,305.96 v1(78.785,306.31) ; v1(133.4,287.95) U1.20@133.4,289.125 ; 137.2,303.675 v1(137.92,303.65) U2.16@139.095,303.65 ; v1(137.92,296.875) U3.16@139.095,296.875 ; U4.16@210.45,291.52 v1(210.45,290.3) 211.1,289.65 U4.2@211.1,285.68 ; U5.16@210.45,301.545 v1(210.45,300.4) 211.75,299.1 U5.3@211.75,295.705 ; R7.2@210.475,306.6 v1(210.475,307.4) ; R6.2@212.525,306.6 v1(212.525,307.4)
  TopLayer w0.3: v1(11.85,269.05) R49.2@12.875,269.05 ; R41.2@14.875,265.375 16.195,265.375 J15.4@17.38,266.56 16.815,267.125 C33.2@14.875,267.125 ; v1(16.975,276.575) R48.2@17.925,276.575 ; U7.5@19.035,258.585 19.735,258.585 v1(20.175,259.025) 19.665,259.535 U7.6@19.035,259.535 ; U18.1.1@100.175,286.375 v1(100.175,288.65) ; U18.2.1@120.65,286.375 v1(120.65,288.6) ; v1(177.05,253.475) 177.4,253.825 U23.13@177.4,254.275 ; v1(177.05,257.975) 177.4,257.625 U23.8@177.4,257.175 ; v1(183.8,253.95) 184.075,254.225 U24.7@185.1,254.225 ; v1(186.16,239.31) U22.6@187.45,239.31 ; C125.2@211.723,233.325 211.783,233.265 v1(212.507,233.265) U26.1@213.875,233.265
  MidLayer4 w0.5: v1(13.475,299.825) 15.375,299.825 21.075,305.525 v1(33.375,305.525) ; v1(37.46,312.485) 36.825,312.475 v1(53.25,312.475)
  BottomLayer w0.15: C40.1@67.425,260.075 C40.1@67.625,260.275 ; R100.1.4@146.28,286 146.275,285.95 146.275,285.38 146.38,285.275 147.155,285.275 ; R100.1.3@147.08,286 147.075,285.95 147.075,285.355 147.155,285.275 ; R100.1.2@147.88,286 147.875,285.95 147.875,285.295 147.855,285.275 ; R100.1.1@148.68,286 148.675,285.95 148.675,285.295 148.655,285.275 ; R99.1.4@150.03,286 149.93,285.95 149.93,285.325 149.98,285.275 ; R99.1.3@150.83,286 150.73,285.95 150.73,285.275 ; R99.1.2@151.63,286 151.53,285.95 151.53,285.275 ; R99.1.1@152.43,286 152.33,285.95 152.33,285.4 152.205,285.275 151.53,285.275 ; R100.2.4@163.155,286 163.15,285.95 163.15,285.38 163.255,285.275 164.03,285.275 ; R100.2.3@163.955,286 163.95,285.95 163.95,285.355 164.03,285.275 ; R100.2.2@164.755,286 164.75,285.95 164.75,285.295 164.73,285.275 ; R100.2.1@165.555,286 165.55,285.95 165.55,285.295 165.53,285.275 ; R99.2.4@166.905,286 166.805,285.95 166.805,285.325 166.855,285.275 ; R99.2.3@167.705,286 167.605,285.95 167.605,285.275 ; R99.2.2@168.505,286 168.405,285.95 168.405,285.275 ; R99.2.1@169.305,286 169.205,285.95 169.205,285.4 169.08,285.275 168.405,285.275 ; R100.3.4@180.03,286 180.025,285.95 180.025,285.38 180.13,285.275 180.905,285.275 ; R100.3.3@180.83,286 180.825,285.95 180.825,285.355 180.905,285.275 ; R100.3.2@181.63,286 181.625,285.95 181.625,285.295 181.605,285.275 ; R100.3.1@182.43,286 182.425,285.95 182.425,285.295 182.405,285.275 ; R99.3.4@183.78,286 183.68,285.95 183.68,285.325 183.73,285.275 ; R99.3.3@184.58,286 184.48,285.95 184.48,285.275 ; R99.3.2@185.38,286 185.28,285.95 185.28,285.275 ; R99.3.1@186.18,286 186.08,285.95 186.08,285.4 185.955,285.275 185.28,285.275 ; R100.4.4@196.905,286 196.9,285.95 196.9,285.38 197.005,285.275 197.78,285.275 ; R100.4.3@197.705,286 197.7,285.95 197.7,285.355 197.78,285.275 ; R100.4.2@198.505,286 198.5,285.95 198.5,285.295 198.48,285.275 ; R100.4.1@199.305,286 199.3,285.95 199.3,285.295 199.28,285.275 ; R99.4.4@200.655,286 200.555,285.95 200.555,285.325 200.605,285.275 ; R99.4.3@201.455,286 201.355,285.95 201.355,285.275 ; R99.4.2@202.255,286 202.155,285.95 202.155,285.275 ; R99.4.1@203.055,286 202.955,285.95 202.955,285.4 202.83,285.275 202.155,285.275 ; 147.155,285.275 147.855,285.275 ; 147.855,285.275 148.655,285.275 ; 148.655,285.275 149.98,285.275 ; 149.98,285.275 150.73,285.275 ; 150.73,285.275 151.53,285.275 ; 164.03,285.275 164.73,285.275 ; 164.73,285.275 165.53,285.275 ; 165.53,285.275 166.855,285.275 ; 166.855,285.275 167.605,285.275 ; 167.605,285.275 168.405,285.275 ; 180.905,285.275 181.605,285.275 ; 181.605,285.275 182.405,285.275 ; 182.405,285.275 183.73,285.275 ; 183.73,285.275 184.48,285.275 ; 184.48,285.275 185.28,285.275 ; 197.78,285.275 198.48,285.275 ; 198.48,285.275 199.28,285.275 ; 199.28,285.275 200.605,285.275 ; 200.605,285.275 201.355,285.275 ; 201.355,285.275 202.155,285.275
  BottomLayer w0.25: C49.1@54.375,254.675 54.675,254.375 v1(55.325,254.375) ; C40.1@67.625,260.275 v1(68.275,260.275) ; v1(133.4,287.95) C1.1@133.4,287 134.325,287 134.95,286.375 R3.2@135.6,286.375 ; 149.605,285.175 149.605,284.3 C73.1.2@148.55,284.3 148.655,284.195 L14.1.1@148.655,282.825 L15.1.1@150.53,282.825 ; 166.48,285.175 166.48,284.3 C73.2.2@165.425,284.3 165.53,284.195 L14.2.1@165.53,282.825 L15.2.1@167.405,282.825 ; 183.355,285.175 183.355,284.3 C73.3.2@182.3,284.3 182.405,284.195 L14.3.1@182.405,282.825 L15.3.1@184.28,282.825 ; C73.4.2@199.25,284.275 C73.4.2@199.175,284.3 ; 200.23,285.175 200.23,284.3 199.25,284.3 C73.4.2@199.175,284.3 ; L15.4.1@201.155,282.825 L14.4.1@199.28,282.825 199.28,284.195 C73.4.2@199.175,284.3 ; v1(212.507,233.265) 212.792,233.55 C124.2@213.625,233.55 ; R102.2@214.7,226.075 v1(215.725,226.075) ; R16.8@226.425,287.275 227.2,287.275 227.375,287.45 227.375,288.1 ; R16.7@226.425,288.075 227.35,288.075 227.375,288.1 ; R16.6@226.425,288.875 227.35,288.875 227.375,288.9 ; R16.5@226.425,289.675 227.175,289.675 227.375,289.475 227.375,288.9 ; R20.8@226.425,297.95 227.2,297.95 227.375,298.125 227.375,298.775 ; R20.7@226.425,298.75 227.35,298.75 227.375,298.775 ; R20.6@226.425,299.55 227.35,299.55 227.375,299.575 ; R20.5@226.425,300.35 227.175,300.35 227.375,300.15 227.375,299.575 ; 227.375,288.1 227.375,288.9 ; 227.375,298.775 227.375,299.575
  BottomLayer w0.3: v1(13.475,299.825) 15.4,299.825 19.275,303.7 R90.1@19.275,306.4 ; U9.5@15.435,266.56 J15.4@17.38,266.56 ; C11.2@18.75,258.6 19.75,258.6 v1(20.175,259.025) ; v1(22.375,265.825) R45.2@22.375,267.125 ; v1(33.375,305.525) R92.1@33.375,306.45 ; v1(37.46,312.485) R79.1@38.385,312.485 ; v1(53.25,312.475) R85.1@54.175,312.475 ; R51.2@76.26,305.935 78.41,305.935 v1(78.785,306.31) ; v1(76.35,252.775) 76.6,253.025 R67.1@76.6,253.925 R66.1@76.6,255.925 ; R60.1@76.6,257.925 R64.1@76.6,259.925 76.6,264.725 77.65,265.775 R62.1@79.75,265.775 81.375,265.775 ; C48.1@82.7,251.775 82.7,250.025 83.05,249.675 R68.1@84.325,249.675 R65.1@86.125,249.675 ; C48.1@82.85,251.775 82.85,252.175 v1(83.55,252.875) ; v1(83.55,260.875) 83.55,261.225 C46.1@82.875,261.9 82.875,262.3 82.35,262.825 81.875,262.825 81.375,263.325 81.375,265.775 ; R61.1@85.05,265.775 R63.1@83,265.775 81.375,265.775 ; C47.1@86.575,259.675 87.35,259.675 v1(87.55,259.875) ; C45.1@89.35,251.8 89.35,252.675 v1(89.55,252.875) ; C43.1@89.35,262 89.35,261.075 v1(89.55,260.875) ; v1(89.55,255.875) 89.85,256.175 C44.1@89.85,256.9 89.85,257.575 v1(89.55,257.875) ; C66.1.2@100.175,287.625 v1(100.175,288.65) ; C66.2.2@120.65,287.45 v1(120.65,288.6) ; R1.1@132.95,289.125 132.95,288.275 133.275,287.95 v1(133.4,287.95) ; C3.1@137.2,296.875 v1(137.92,296.875) 139.05,296.875 R5.2@139.1,296.925 ; v1(137.92,303.65) C2.1@137.2,303.675 137.92,303.675 139.125,303.675 R4.2@139.15,303.7 ; C78.1@186.125,240.15 C79.1@186.125,238.5 ; v1(186.16,239.31) C79.1@186.125,238.5 ; R119.1@187.075,250.325 187.762,250.325 ; R105.1@187.525,238.675 186.4,238.675 C79.1@186.175,238.45 C79.1@186.125,238.5 ; R105.1@187.675,238.675 187.675,240.125 189.425,241.875 R106.1@189.425,243.025 ; v1(188.1,248.25) 187.762,248.587 187.762,250.325 ; R123.1@188.45,250.325 187.762,250.325 ; R2.1@210.025,291.5 210.025,290.725 v1(210.45,290.3) C4.1@210.45,289.575 ; R10.1@210.025,301.55 210.025,300.825 v1(210.45,300.4) C10.1@210.45,299.625
  BottomLayer w0.5: v1(78.785,306.31) 79.01,306.085 C38.2@79.86,306.085
+3V3Hall: C251.2 C252.2 C253.2 C254.2 C255.2 C256.2 C257.2 C258.2 L26.2 L27.2 Q25.3 R193.2 R280.2 R304.2 R306.1 R307.1 R309.2 R312.2 R322.2 R323.2 R325.2 R326.2 U48.15 U48.16 U49.15 U49.16 U50.15 U50.16 U51.15 U51.16
+3V3MOD: C15.2 J14.A26 J14.A29 J14.A50 J14.A86 J14.B55 J14.B79 J14.B115 J14.B127 J14.B152 J14.B155 J14.C96 J14.C103 J14.C136 J14.C143 TP12.1 U6.14 | length 9.7
  TopLayer w0.15: J14.B55@83.175,233.25 v1(83.175,234.25) ; J14.C96@106.125,254.4 v1(106.925,254.4) ; J14.C136@106.125,264.4 v1(106.925,264.4) ; v1(110.525,256.4) J14.C103@111.325,256.4 ; v1(110.525,266.4) J14.C143@111.325,266.4
  TopLayer w0.2: J14.A86@75.675,270.05 v1(75.675,270.85) ; J14.A50@84.675,270.05 v1(84.675,270.85) ; v1(89.675,274.45) J14.A29@89.675,275.25 ; J14.A26@90.675,270.05 v1(90.675,270.85)
  TopLayer w0.25: U6.14@56.72,262.89 v1(58.09,262.89)
  BottomLayer w0.25: v1(58.09,262.89) 58.09,263.8 C15.2@58.1,263.8
+5SL: L68.2 L76.2 L85.2 L93.1 Q61.3 R263.2
+5V: C150.2 C152.2 C155.2 C162.2 C189.1 C206_1.2 C206_2.2 C206_3.2 C206_4.2 C206_5.2 C206_6.2 C206_7.2 C213.2 C214.2 C230.2 C231.2 C323.2 C325.2 C374.2 C375.1 C376.1 C420.2 C421.2 C422.2 C423.2 C424.2 C425.2 C442.2 L29_1.1 L29_2.1 L29_3.1 L29_4.1 L29_5.1 L29_6.1 L29_7.1 Q61.2 R158.1 R160.1 R161.1 R168.1 R177.1 R180.1 R184.1 R188.1 R190.1 R231.1 R233_1.1 R233_2.1 R233_3.1 R233_4.1 R233_5.1 R233_6.1 R233_7.1 R234.1 R235.1 R241_1.1 R241_2.1 R241_3.1 R241_4.1 R241_5.1 R241_6.1 R241_7.1 R243.1 R264.2 R406.2 R408.1 U28.6 U32.6 U40.6 U64.14 U65.14 U66.14 U67.1 U68.14 U69.14 U70.6 U71.6 U72.6 U76.6 U77.6 U78.6 U79.6 | length 350.8
  TopLayer w0.5: R233_3.1@44.8,101.404 R241_3.1@47.8,101.404 54.246,101.404 58,97.65 v2(58,69.4) C206_3.2@56.3,69.4 ; R233_5.1@100,101.804 R241_5.1@103,101.804 109.446,101.804 113.2,98.05 v2(113.2,69.8) C206_5.2@111.5,69.8 ; R233_4.1@133.999,101.827 R241_4.1@136.999,101.827 143.444,101.827 147.199,98.073 v2(147.199,69.823) C206_4.2@145.499,69.823 ; R233_2.1@178.6,101.804 R241_2.1@181.6,101.804 188.046,101.804 191.8,98.05 v2(191.8,69.8) C206_2.2@190.1,69.8 ; R233_1.1@214.45,101.804 R241_1.1@217.45,101.804 223.896,101.804 227.65,98.05 v2(227.65,69.8) C206_1.2@225.95,69.8 ; R233_7.1@251.55,65.254 R241_7.1@254.55,65.254 260.996,65.254 264.75,61.5 v2(264.75,33.25) C206_7.2@263.05,33.25 ; R233_6.1@291.05,65.004 R241_6.1@294.05,65.004 300.496,65.004 304.25,61.25 v2(304.25,33) C206_6.2@302.55,33
  BottomLayer w0.5: v2(58,69.4) 63.05,69.4 L29_3.1@63.3,69.65 ; v2(113.2,69.8) 118.25,69.8 L29_5.1@118.5,70.05 ; v2(147.199,69.823) 152.248,69.823 L29_4.1@152.499,70.073 ; v2(191.8,69.8) 196.85,69.8 L29_2.1@197.1,70.05 ; v2(227.65,69.8) 232.7,69.8 L29_1.1@232.95,70.05 ; v2(264.75,33.25) 269.8,33.25 L29_7.1@270.05,33.5 ; v2(304.25,33) 309.3,33 L29_6.1@309.55,33.25
+5V_CAN_1: C65.1.2 C67.1.2 C68.1.2 U18.1.8 U19.1.6 | length 9.5
  TopLayer w0.3: U18.1.8@100.175,293.975 100.2,294 v1(100.2,296.175)
  TopLayer w0.5: C68.1.2@90.95,299.825 92.614,299.825 U19.1.6@93.624,300.835
  BottomLayer w0.3: C67.1.2@100.2,295 v1(100.2,296.175)
  BottomLayer w0.5: U19.1.6@93.624,300.835 94.84,300.835 95.65,300.025 C65.1.2@95.65,299.4
+5V_CAN_2: C65.2.2 C67.2.2 C68.2.2 U18.2.8 U19.2.6 | length 9.6
  TopLayer w0.3: U18.2.8@120.65,293.975 120.675,294 v1(120.675,296.175)
  TopLayer w0.5: C68.2.2@111.45,299.85 111.425,299.825 111.45,299.825 113.089,299.825 U19.2.6@114.099,300.835
  BottomLayer w0.3: C67.2.2@120.675,295 v1(120.675,296.175)
  BottomLayer w0.5: U19.2.6@114.099,300.835 115.315,300.835 116.125,300.025 116.125,299.4 C65.2.2@116.2,299.375